# KiCad board mega65-r3-expansion-board.kicad.kicad_pcb
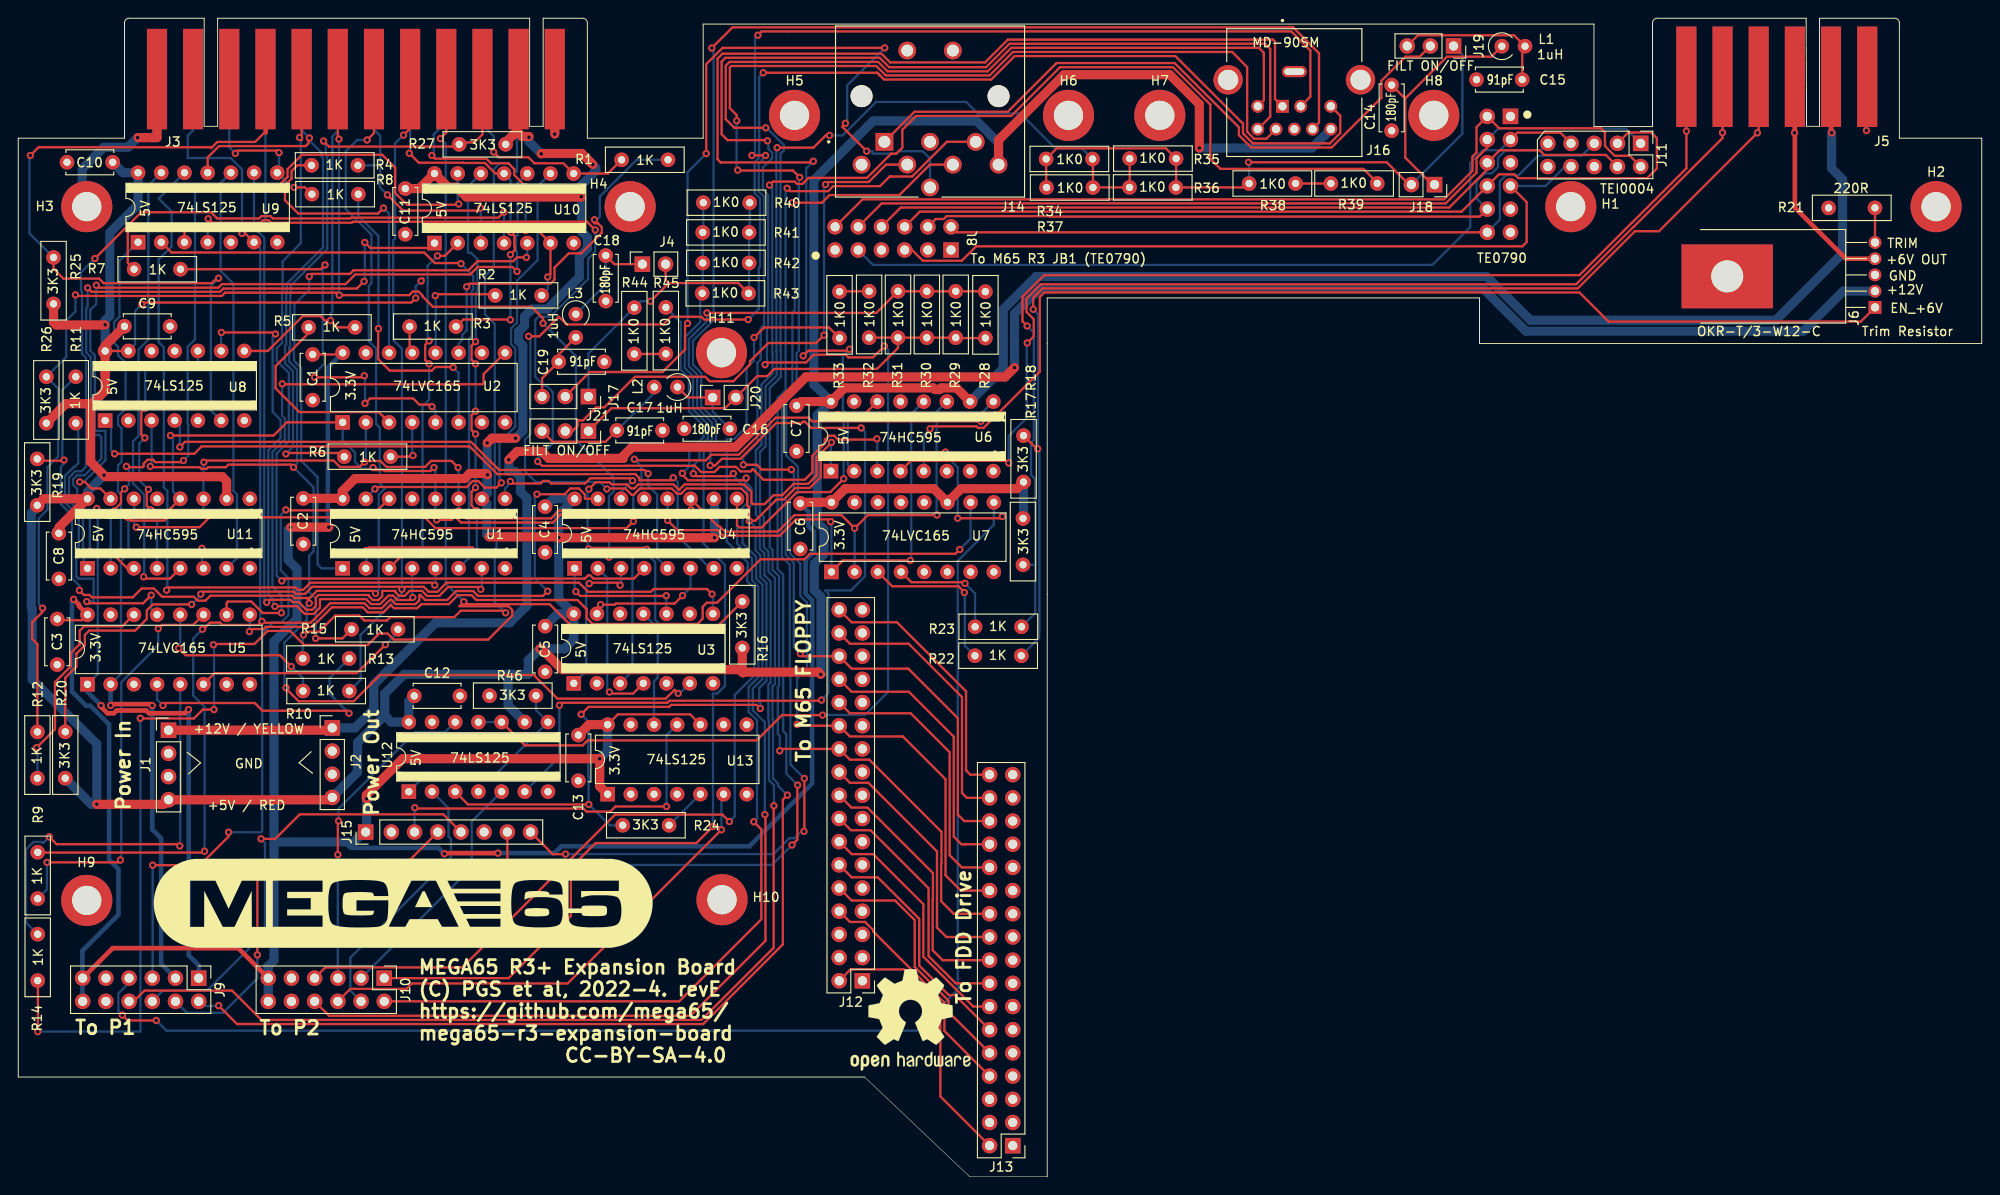
[diagram p0: board, top side]
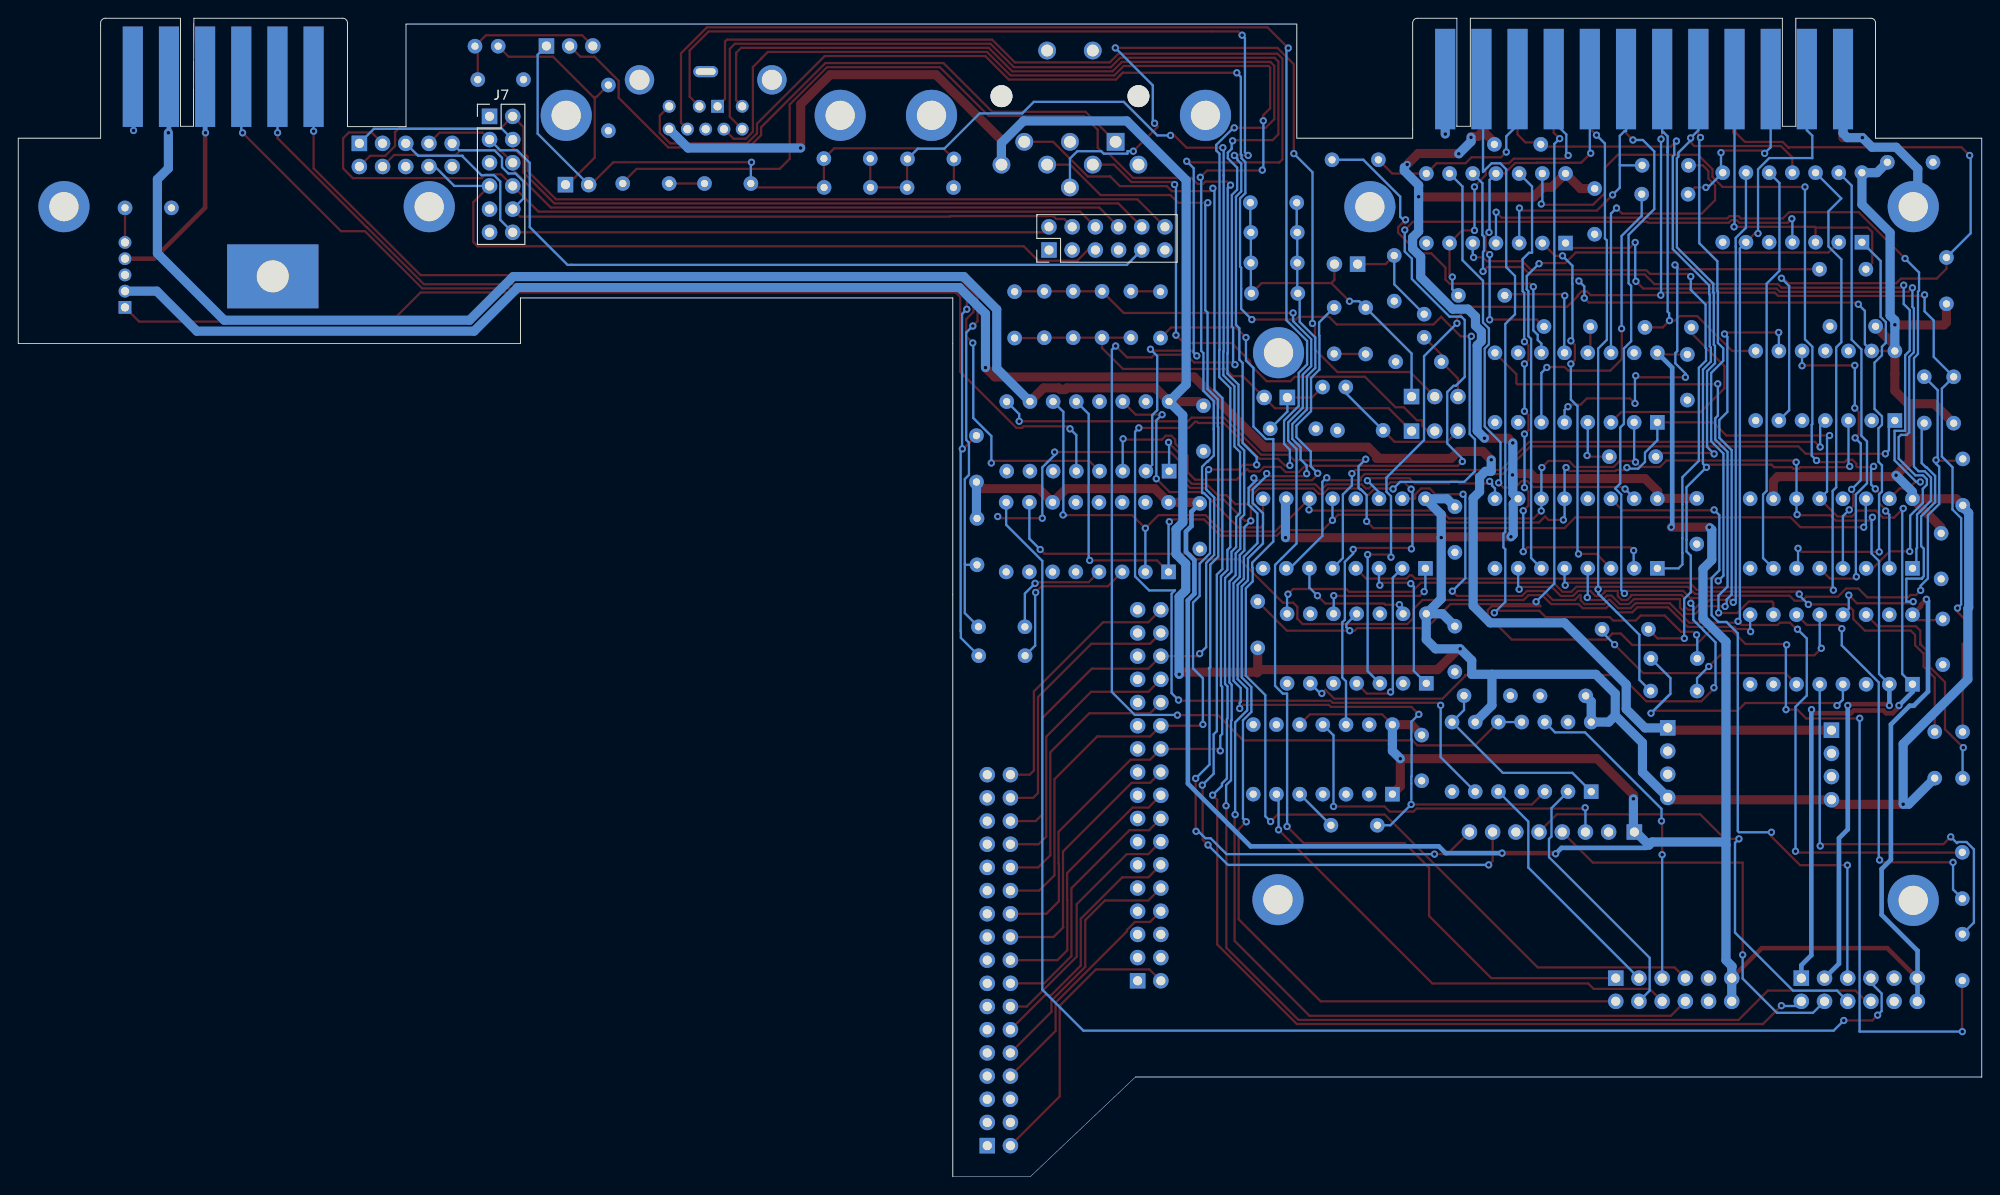
[diagram p1: board, bottom side, seen from below]

Outline 215 x 126.91 mm; copper layers: Top, GND1.Cu (plane), GND2.Cu (plane), Bottom. Coordinates in mm from the lower left corner of the outline.
Outline path: 0,113.77 11.63,113.77 11.63,126.4 arc(11.78,126.76) 12.14,126.91 20.36,126.91 20.36,115.08 21.83,115.08 21.83,126.91 56,126.91 56,115.08 57.47,115.08 57.47,126.91 61.8,126.91 arc(62.16,126.76) 62.31,126.4 62.31,113.77 75,113.77 75,126.27 172.54,126.27 172.54,115.04 178.96,115.04 178.96,126.4 arc(179.1,126.76) 179.46,126.91 195.77,126.91 195.82,115.08 197.24,115.08 197.24,126.91 205.47,126.91 arc(205.83,126.76) 205.98,126.4 205.98,113.77 215,113.77 215,91.27 160,91.27 160,96.27 112.67,96.27 112.67,0 104.18,0 92.67,10.92 0,10.92 0,113.77
Stack: Top 0.035mm / dielectric 0.48mm FR4 er 4.5 / GND1.Cu 0.035mm / dielectric 0.48mm FR4 er 4.5 / GND2.Cu 0.035mm / dielectric 0.48mm FR4 er 4.5 / Bottom 0.035mm

## Placement (name value [footprint] x y rotation side)
C1  0.1uF  [C_Disc_D5.0mm_W2.5mm_P5.00mm]  32.24 90.08 270 top
C2  0.1uF  [C_Disc_D5.0mm_W2.5mm_P5.00mm]  31.21 74.31 270 top
C3  0.1uF  [C_Disc_D5.0mm_W2.5mm_P5.00mm]  4.27 61.1 270 top
C4  0.1uF  [C_Disc_D5.0mm_W2.5mm_P5.00mm]  57.69 73.4 270 top
C5  0.1uF  [C_Disc_D5.0mm_W2.5mm_P5.00mm]  57.7 60.31 270 top
C6  0.1uF  [C_Disc_D5.0mm_W2.5mm_P5.00mm]  85.62 73.77 270 top
C7  0.1uF  [C_Disc_D5.0mm_W2.5mm_P5.00mm]  85.22 84.47 270 top
C8  0.1uF  [C_Disc_D5.0mm_W2.5mm_P5.00mm]  4.45 70.49 270 top
C9  0.1uF  [C_Disc_D5.0mm_W2.5mm_P5.00mm]  11.63 93.16 0 top
C10  0.1uF  [C_Disc_D5.0mm_W2.5mm_P5.00mm]  10.34 111.13 180 top
C11  0.1uF  [C_Disc_D5.0mm_W2.5mm_P5.00mm]  42.39 108.25 270 top
C12  0.1uF  [C_Disc_D5.0mm_W2.5mm_P5.00mm]  43.36 52.68 0 top
C13  0.1uF  [C_Disc_D5.0mm_W2.5mm_P5.00mm]  61.33 48.38 270 top
C14  180pF  [C_Disc_D5.0mm_W2.5mm_P5.00mm]  150.38 119.59 270 top
C15  91pF  [C_Disc_D5.0mm_W2.5mm_P5.00mm]  164.68 120.19 180 top
C16  180pF  [C_Disc_D5.0mm_W2.5mm_P5.00mm]  77.92 81.94 180 top
C17  91pF  [C_Disc_D5.0mm_W2.5mm_P5.00mm]  65.55 81.76 0 top
C18  180pF  [C_Disc_D5.0mm_W2.5mm_P5.00mm]  64.33 100.92 270 top
C19  91pF  [C_Disc_D5.0mm_W2.5mm_P5.00mm]  59.17 89.28 0 top
G***  LOGO  [MEGA65-logo]  42.15 29.97 0 top
H1  MountingHole_Pad  [MountingHole_3.2mm_M3_DIN965_Pad]  170 106.27 0 top
H2  MountingHole_Pad  [MountingHole_3.2mm_M3_DIN965_Pad]  210 106.27 0 top
H3  MountingHole_Pad  [MountingHole_3.2mm_M3_DIN965_Pad]  7.5 106.27 0 top
H4  MountingHole_Pad  [MountingHole_3.2mm_M3_DIN965_Pad]  67 106.27 0 top
H5  MountingHole_Pad  [MountingHole_3.2mm_M3_DIN965_Pad]  85 116.27 0 top
H6  MountingHole_Pad  [MountingHole_3.2mm_M3_DIN965_Pad]  115 116.27 0 top
H7  MountingHole_Pad  [MountingHole_3.2mm_M3_DIN965_Pad]  125 116.27 0 top
H8  MountingHole_Pad  [MountingHole_3.2mm_M3_DIN965_Pad]  155 116.27 0 top
H9  MountingHole_Pad  [MountingHole_3.2mm_M3_DIN965_Pad]  7.5 30.27 0 top
H10  MountingHole_Pad  [MountingHole_3.2mm_M3_DIN965_Pad]  77.06 30.35 0 top
H11  MountingHole_Pad  [MountingHole_3.2mm_M3_DIN965_Pad]  77 90.27 0 top
J1  Conn_01x04  [FloppyPower]  16.46 48.92 0 top
J2  Conn_01x04  [FloppyPower]  34.39 49.17 0 top
J3  C64_User_Port  [C64-User-Port-Male]  48.31 114.75 0 top
J4  Conn_01x02  [PinSocket_1x02_P2.54mm_Vertical]  68.34 99.97 90 top
J5  C64_Tape_Port  [C64-Cassette-Port-Male]  192.02 115.01 0 top
J6  OKR-T/3-W12-C  [TO-220-FP-5]  203.31 95.24 90 top
J7  Conn_02x06_Odd_Even  [PinHeader_2x06_P2.54mm_Vertical]  163.4 116.16 180 bottom
J8  Conn_02x06_Odd_Even  [PinHeader_2x06_P2.54mm_Vertical#2]  102.14 101.53 90 bottom
J9  PMOD1  [PinHeader_2x06_P2.54mm_Vertical]  19.76 21.76 270 top
J10  PMOD2  [PinHeader_2x06_P2.54mm_Vertical]  40.08 21.76 270 top
J11  Conn_02x05_Odd_Even  [PinHeader_2x05_P2.54mm_Vertical]  177.65 113.21 270 top
J12  Conn_02x17_Odd_Even  [PinHeader_2x17_P2.54mm_Vertical]  92.43 21.47 180 top
J13  Conn_02x17_Odd_Even  [PinHeader_2x17_P2.54mm_Vertical]  108.9 3.41 180 top
J14  Component A/V  [CUI_SDF-80J]  99.84 118.38 180 top
J15  ESP32 Connector  [PinHeader_1x08_P2.54mm_Vertical]  38.31 37.76 90 top
J16  MD-90SM  [CUI_MD-90SM]  139.73 121.07 180 top
J17  Conn_01x03  [PinSocket_1x03_P2.54mm_Vertical]  62.43 85.47 270 top
J18  Conn_01x02  [PinSocket_1x02_P2.54mm_Vertical]  155.08 108.69 270 top
J19  Conn_01x03  [PinSocket_1x03_P2.54mm_Vertical]  157.17 123.88 270 top
J20  Conn_01x02  [PinSocket_1x02_P2.54mm_Vertical]  76.03 85.37 90 top
J21  Conn_01x03  [PinSocket_1x03_P2.54mm_Vertical]  62.43 81.69 270 top
L1  1uH  [L_Axial_L6.6mm_D2.7mm_P2.54mm_Vertical_Vishay_IM-2]  162.45 123.85 0 top
L2  1uH  [L_Axial_L6.6mm_D2.7mm_P2.54mm_Vertical_Vishay_IM-2]  72.18 86.51 180 top
L3  1uH  [L_Axial_L6.6mm_D2.7mm_P2.54mm_Vertical_Vishay_IM-2]  61.05 94.49 270 top
LOGO1  Logo_Open_Hardware_Large  [OSHW-Logo2_14.6x12mm_SilkScreen]  97.7 17.2 0 top
R1  1K  [Labeled Resistor]  71.14 111.41 180 top
R2  1K  [Labeled Resistor]  52.23 96.55 0 top
R3  1K  [Labeled Resistor]  42.85 93.14 0 top
R4  1K  [Labeled Resistor]  32.11 110.8 0 top
R5  1K  [Labeled Resistor]  31.8 93.05 0 top
R6  1K  [Labeled Resistor]  40.78 78.88 180 top
R7  1K  [Labeled Resistor]  17.76 99.42 180 top
R8  1K  [Labeled Resistor]  37.23 107.64 180 top
R9  1K  [Labeled Resistor]  2.13 30.46 90 top
R10  1K  [Labeled Resistor]  31.17 53.21 0 top
R11  1K  [Labeled Resistor]  6.3 82.56 90 top
R12  1K  [Labeled Resistor]  2.1 43.65 90 top
R13  1K  [Labeled Resistor]  36.23 56.77 180 top
R14  1K  [Labeled Resistor]  2.13 26.57 270 top
R15  1K  [Labeled Resistor]  41.58 59.97 180 top
R16  3K3  [Labeled Resistor]  79.28 57.94 90 top
R17  3K3  [Labeled Resistor]  110.02 72.12 270 top
R18  3K3  [Labeled Resistor]  110.08 76.11 90 top
R19  3K3  [Labeled Resistor]  2.08 73.56 90 top
R20  3K3  [Labeled Resistor]  5.15 43.66 90 top
R21  220R  [Labeled Resistor]  203.31 106.14 180 top
R22  1K  [Labeled Resistor]  104.75 57.08 0 top
R23  1K  [Labeled Resistor]  104.77 60.25 0 top
R24  3K3  [Labeled Resistor]  66.18 38.51 0 top
R25  3K3  [Labeled Resistor]  3.87 95.62 90 top
R26  3K3  [Labeled Resistor]  3.08 82.55 90 top
R27  3K3  [Labeled Resistor]  53.36 113.1 180 top
R28  1K0  [Labeled Resistor]  105.9 96.96 270 top
R29  1K0  [Labeled Resistor]  102.65 97 270 top
R30  1K0  [Labeled Resistor]  99.49 97 270 top
R31  1K0  [Labeled Resistor]  96.33 97 270 top
R32  1K0  [Labeled Resistor]  93.17 97 270 top
R33  1K0  [Labeled Resistor]  89.93 96.96 270 top
R34  1K0  [Labeled Resistor]  117.63 111.5 180 top
R35  1K0  [Labeled Resistor]  121.7 111.54 0 top
R36  1K0  [Labeled Resistor]  121.68 108.38 0 top
R37  1K0  [Labeled Resistor]  117.67 108.37 180 top
R38  1K0  [Labeled Resistor]  139.86 108.81 180 top
R39  1K0  [Labeled Resistor]  143.73 108.81 0 top
R40  1K0  [Labeled Resistor]  75.01 106.71 0 top
R41  1K0  [Labeled Resistor]  74.95 103.45 0 top
R42  1K0  [Labeled Resistor]  74.95 100.11 0 top
R43  1K0  [Labeled Resistor]  74.89 96.78 0 top
R44  1K0  [Labeled Resistor]  67.46 90.13 90 top
R45  1K0  [Labeled Resistor]  70.91 90.16 90 top
R46  3K3  [Labeled Resistor]  51.61 52.7 0 top
U1  74HC595  [DIP-16_LS_Family]  35.52 66.65 90 top
U2  74LVC165  [DIP-16_LVC_Family]  35.52 82.65 90 top
U3  74LS125  [DIP-14_74LS06]  60.83 54.05 90 top
U4  74HC595  [DIP-16_LS_Family]  60.92 66.65 90 top
U5  74LVC165  [DIP-16_LVC_Family]  7.58 53.95 90 top
U6  74HC595  [DIP-16_LS_Family]  88.98 77.3 90 top
U7  74LVC165  [DIP-16_LVC_Family]  89.04 66.26 90 top
U8  74LS125  [DIP-14_74LS06]  9.51 82.84 90 top
U9  74LS125  [DIP-14_74LS06]  13.12 102.38 90 top
U10  74LS125  [DIP-14_74LS06]  45.57 102.28 90 top
U11  74HC595  [DIP-16_LS_Family]  7.58 66.65 90 top
U12  74LS125  [DIP-14_W7.62mm]  42.74 42.39 90 top
U13  74LS125  [DIP-14_74LS06]  64.53 41.91 90 top

## Library data of the parts
C1-C19 = -: Description: Unpolarized capacitor
H1-H11 = -: Description: Mounting Hole with connection
J1 J2 = -: Description: Generic connector, single row, 01x04, script generated (kicad-library-utils/schlib/autogen/connector/)
J3 = -: Description: Generic connector, double row, 02x12, counter clockwise pin numbering scheme (similar to DIP packge numbering), script generated (kicad-library-utils/schlib/autogen/connector/)
J4 J18 J20 = -: Description: Generic connector, single row, 01x02, script generated (kicad-library-utils/schlib/autogen/connector/)
J5 = -: Description: Generic connector, double row, 02x06, counter clockwise pin numbering scheme (similar to DIP packge numbering), script generated (kicad-library-utils/schlib/autogen/connector/)
J6 = -: Description: Generic connector, single row, 01x06, script generated (kicad-library-utils/schlib/autogen/connector/)
J7-J10 = -: Description: Generic connector, double row, 02x06, odd/even pin numbering scheme (row 1 odd numbers, row 2 even numbers), script generated (kicad-library-utils/schlib/autogen/connector/)
J11 = -: Description: Generic connector, double row, 02x05, odd/even pin numbering scheme (row 1 odd numbers, row 2 even numbers), script generated (kicad-library-utils/schlib/autogen/connector/)
J12 J13 = -: Description: Generic connector, double row, 02x17, odd/even pin numbering scheme (row 1 odd numbers, row 2 even numbers), script generated (kicad-library-utils/schlib/autogen/connector/)
J14 = -: Description: 8-pin DIN connector
J15 = -: Description: Generic connector, single row, 01x08, script generated (kicad-library-utils/schlib/autogen/connector/)
J16 = -: Description: 9 Pin, Mini Circular Connector w/ Shield; Availability: In Stock; CUI_purchase_URL: https://www.cuidevices.com/product/interconnect/connectors/din-connectors/md-90sm?utm_source=snapeda.com&utm_medium=referral&utm_campaign=snapedaBOM; Check_prices: https://www.snapeda.com/parts/MD-90SM/CUI+Devices/view-part/?ref=eda; MANUFACTURER: CUI; MAXIMUM_PACKAGE_HEIGHT: 13.6 mm; MF: CUI Devices; PARTREV: 02/18/2022; Package: None; Price: None; STANDARD: Manufacturer Recommendations; SnapEDA_Link: https://www.snapeda.com/parts/MD-90SM/CUI+Devices/view-part/?ref=snap
J17 J19 J21 = -: Description: Generic connector, single row, 01x03, script generated (kicad-library-utils/schlib/autogen/connector/)
L1-L3 = -: Description: Inductor
LOGO1 = -: Description: Open Hardware logo, large
R1-R27 R46 = -: Description: Resistor
R28-R45 = -: Description: Resistor symbol for simulation only
U1 U4 U6 U11 = -: Description: 8-bit serial in/out Shift Register 3-State Outputs
U2 U5 U7 = -: Description: Shift Register 8-bit, parallel load
U3 U8-U10 U12 U13 = -: Description: Quad buffer 3-State outputs

## Footprints (pads in the part's own frame, mm; a bottom-side part is the same pattern mirrored in y, then rotated)
C64-Cassette-Port-Male
  rect 2.2x11 smd: 1(10.44,5.5) 2(6.48,5.5) 3(2.52,5.5) 4(-1.44,5.5) 5(-5.4,5.5) 6(-9.36,5.5)
  rect 2.2x11 smd far side: A(10.44,5.5) B(6.48,5.5) C(2.52,5.5) D(-1.44,5.5) E(-5.4,5.5) F(-9.36,5.5)
C64-User-Port-Male
  rect 2.2x11 smd: 1(10.44,5.5) 2(6.48,5.5) 3(2.52,5.5) 4(-1.44,5.5) 5(-5.4,5.5) 6(-9.36,5.5) 7(-13.32,5.5) 8(-17.28,5.5) 9(-21.24,5.5) 10(-25.2,5.5) 11(-29.16,5.5) 12(-33.12,5.5)
  rect 2.2x11 smd far side: A(10.44,5.5) B(6.48,5.5) C(2.52,5.5) D(-1.44,5.5) E(-5.4,5.5) F(-9.36,5.5) H(-13.32,5.5) J(-17.28,5.5) K(-21.24,5.5) L(-25.2,5.5) M(-29.16,5.5) N(-33.12,5.5)
C_Disc_D5.0mm_W2.5mm_P5.00mm
  round 1.6 hole 0.8: 1(0,0) 2(5,0)
CUI_MD-90SM
  rect 1.408x1.408 hole 0.9: 1(1.3,3.8)
  round 1.408 hole 0.9: 2(-0.7,3.8) 3(4,3.8) 4(2,6.3) 5(0,6.3) 6(-4,3.8) 7(4,6.3) 8(-2,6.3) 9(-4,6.3)
  oval 2.73x1.23 hole 2.2x0.7: S1(0,0)
  round 3.216 hole 2.2: S2(-7.25,0.9) S3(7.25,0.9)
CUI_SDF-80J
  round 2.4 hole 2.4 unplated: (-7.5,0) (7.5,0)
  rect 1.95x1.95 hole 1.3: 1(5,5)
  round 1.95 hole 1.3: 2(0,5) 3(-5,5) 4(2.5,7.5) 5(-2.5,7.5) 6(0,10) 7(7.5,7.5) 8(-7.5,7.5) S1(2.5,-5) S2(-2.5,-5)
DIP-14_74LS06
  rect 1.6x1.6 hole 0.8: 1(0,0)
  oval 1.6x1.6 hole 0.8: 2(0,-2.54) 3(0,-5.08) 4(0,-7.62) 5(0,-10.16) 6(0,-12.7) 7(0,-15.24) 8(7.62,-15.24) 9(7.62,-12.7) 10(7.62,-10.16) 11(7.62,-7.62) 12(7.62,-5.08) 13(7.62,-2.54) 14(7.62,0)
DIP-14_W7.62mm
  rect 1.6x1.6 hole 0.8: 1(-0.2,-0.02)
  oval 1.6x1.6 hole 0.8: 2(-0.2,-2.56) 3(-0.2,-5.1) 4(-0.2,-7.64) 5(-0.2,-10.18) 6(-0.2,-12.72) 7(-0.2,-15.26) 8(7.42,-15.26) 9(7.42,-12.72) 10(7.42,-10.18) 11(7.42,-7.64) 12(7.42,-5.1) 13(7.42,-2.56) 14(7.42,-0.02)
DIP-16_LS_Family
  rect 1.6x1.6 hole 0.8: 1(0,0)
  oval 1.6x1.6 hole 0.8: 2(0,-2.54) 3(0,-5.08) 4(0,-7.62) 5(0,-10.16) 6(0,-12.7) 7(0,-15.24) 8(0,-17.78) 9(7.62,-17.78) 10(7.62,-15.24) 11(7.62,-12.7) 12(7.62,-10.16) 13(7.62,-7.62) 14(7.62,-5.08) 15(7.62,-2.54) 16(7.62,0)
DIP-16_LVC_Family
  rect 1.6x1.6 hole 0.8: 1(0,0)
  oval 1.6x1.6 hole 0.8: 2(0,-2.54) 3(0,-5.08) 4(0,-7.62) 5(0,-10.16) 6(0,-12.7) 7(0,-15.24) 8(0,-17.78) 9(7.62,-17.78) 10(7.62,-15.24) 11(7.62,-12.7) 12(7.62,-10.16) 13(7.62,-7.62) 14(7.62,-5.08) 15(7.62,-2.54) 16(7.62,0)
FloppyPower
  rect 1.7x1.7 hole 1: 1(0,0)
  oval 1.7x1.7 hole 1: 2(0,-2.54) 3(0,-5.08) 4(0,-7.62)
L_Axial_L6.6mm_D2.7mm_P2.54mm_Vertical_Vishay_IM-2
  round 1.6 hole 0.8: 1(0,0)
  oval 1.6x1.6 hole 0.8: 2(2.54,0)
Labeled Resistor
  round 1.6 hole 0.8: 1(0,0) 2(5.08,0)
MountingHole_3.2mm_M3_DIN965_Pad
  round 5.6 hole 3.2: 1(0,0)
PinHeader_1x08_P2.54mm_Vertical
  rect 1.7x1.7 hole 1: 1(0,0.278)
  oval 1.7x1.7 hole 1: 2(0,-2.54) 3(0,-5.08) 4(0,-7.62) 5(0,-10.16) 6(0,-12.7) 7(0,-15.24) 8(0,-17.78)
PinHeader_2x05_P2.54mm_Vertical
  rect 1.7x1.7 hole 1: 1(0,0)
  oval 1.7x1.7 hole 1: 2(2.54,0) 3(0,-2.54) 4(2.54,-2.54) 5(0,-5.08) 6(2.54,-5.08) 7(0,-7.62) 8(2.54,-7.62) 9(0,-10.16) 10(2.54,-10.16)
PinHeader_2x06_P2.54mm_Vertical
  rect 1.7x1.7 hole 1: 1(0,0)
  oval 1.7x1.7 hole 1: 2(2.54,0) 3(0,-2.54) 4(2.54,-2.54) 5(0,-5.08) 6(2.54,-5.08) 7(0,-7.62) 8(2.54,-7.62) 9(0,-10.16) 10(2.54,-10.16) 11(0,-12.7) 12(2.54,-12.7)
PinHeader_2x06_P2.54mm_Vertical#2
  oval 1.7x1.7 hole 1: 1(0,-12.7) 2(2.54,-12.7) 3(0,-10.16) 4(2.54,-10.16) 5(0,-7.62) 6(2.54,-7.62) 7(0,-5.08) 8(2.54,-5.08) 9(0,-2.54) 10(2.54,-2.54) 12(2.54,0)
  rect 1.7x1.7 hole 1: 11(0,0)
PinHeader_2x17_P2.54mm_Vertical
  rect 1.7x1.7 hole 1: 1(0,0)
  oval 1.7x1.7 hole 1: 2(2.54,0) 3(0,-2.54) 4(2.54,-2.54) 5(0,-5.08) 6(2.54,-5.08) 7(0,-7.62) 8(2.54,-7.62) 9(0,-10.16) 10(2.54,-10.16) 11(0,-12.7) 12(2.54,-12.7) 13(0,-15.24) 14(2.54,-15.24) 15(0,-17.78) 16(2.54,-17.78) 17(0,-20.32) 18(2.54,-20.32) 19(0,-22.86) 20(2.54,-22.86) 21(0,-25.4) 22(2.54,-25.4) 23(0,-27.94) 24(2.54,-27.94) 25(0,-30.48) 26(2.54,-30.48) 27(0,-33.02) 28(2.54,-33.02) 29(0,-35.56) 30(2.54,-35.56) 31(0,-38.1) 32(2.54,-38.1) 33(0,-40.64) 34(2.54,-40.64)
PinSocket_1x02_P2.54mm_Vertical
  rect 1.7x1.7 hole 1: 1(0,0)
  oval 1.7x1.7 hole 1: 2(0,-2.54)
PinSocket_1x03_P2.54mm_Vertical
  rect 1.7x1.7 hole 1: 1(0,0)
  oval 1.7x1.7 hole 1: 2(0,-2.54) 3(0,-5.08)
TO-220-FP-5
  rect 1.4x1.4 hole 0.9: 1(0,0)
  oval 1.4x1.4 hole 0.9: 2(1.778,0) 3(3.556,0) 4(5.334,0) 5(7.112,0)
  rect 7x10 hole 3.5: 6(3.4,16.18)

## Nets
+3V3: C1.1 C3.1 C6.1 C13.1 J9.11 J9.12 J10.11 J10.12 J15.1 R17.1 R18.1 U2.16 U5.16 U7.11 U7.16 U13.1 U13.10 U13.14
+5V: C2.1 C4.1 C5.1 C7.1 C8.1 C9.1 C10.1 C11.1 C12.1 J1.4 J2.4 J3.2 J5.2 J5.B J14.8 J16.9 R16.1 R19.1 R20.1 R25.1 R26.1 R27.1 U1.10 U1.16 U3.14 U4.10 U4.16 U6.10 U6.16 U8.13 U8.14 U9.14 U10.14 U11.10 U11.16 U12.9 U12.14
+12V_FUSED: J1.1 J2.1 J6.2
/User Port & Tape Port/6V_REG_CTL: J6.1 U6.5
GND: C1.2 C2.2 C3.2 C4.2 C5.2 C6.2 C7.2 C8.2 C9.2 C10.2 C11.2 C12.2 C13.2 C14.2 C15.2 C16.2 C17.2 C18.2 C19.2 H1.1 H2.1 H3.1 H4.1 H5.1 H6.1 H7.1 H8.1 H9.1 H10.1 J1.2 J1.3 J2.2 J2.3 J3.1 J3.12 J3.A J3.N J5.1 J5.A J6.3 J6.6 J9.9 J9.10 J10.9 J10.10 J12.1 J12.3 J12.5 J12.7 J12.9 J12.11 J12.13 J12.15 J12.17 J12.19 J12.21 J12.23 J12.25 J12.27 J12.29 J12.31 J12.33 J13.1 J13.3 J13.5 J13.7 J13.9 J13.11 J13.13 J13.15 J13.17 J13.19 J13.21 J13.23 J13.25 J13.27 J13.29 J13.31 J13.33 J14.2 J14.S1 J14.S2 J15.2 J16.5 J16.S1 J16.S2 J16.S3 R21.2 R46.1 U1.8 U1.13 U2.8 U2.15 U3.2 U3.5 U3.7 U3.9 U3.12 U4.8 U4.13 U5.8 U5.15 U6.8 U6.13 U7.8 U7.12 U7.15 U8.2 U8.5 U8.7 U9.5 U9.7 U10.7 U11.8 U11.13 U12.4 U12.7 U12.13 U13.4 U13.7 U13.13
1565_CLOCK_3V3: J10.3 U12.5
1565_LD_3V3: J10.5 U12.12
1565_LD_5V: J16.7 U12.10 U12.11
1565_RST: J16.1 U6.2
1565_SERIO_I: J10.6 U13.6
1565_SERIO_O: J10.4 U12.2
/C1565 External C65 Drive Port/CLOCK_5V: J16.8 U12.6
/C1565 External C65 Drive Port/SERIO_5V: J16.6 R24.1 U12.3
/Composite and component video output/CHROMA_FILTERED: C19.1 J17.3 L3.2
/Composite and component video output/CHROMA_OUT: J14.6 J17.2
/Composite and component video output/COMP_CHROMA: J4.2 J17.1 R40.2 R41.2 R42.2 R43.2 R44.2
/Composite and component video output/COMPOSITE_FILTERED: C15.1 J19.3 L1.2
/Composite and component video output/COMPOSITE_OUT: J14.1 J19.2
/Composite and component video output/COMPOSITE_UNFILTERED: J18.2 J19.1 R34.2 R35.2 R36.2 R37.2 R38.2
/Composite and component video output/LUMA_FILTERED: C17.1 J21.3 L2.2
/Composite and component video output/LUMA_OUT: J14.4 J21.2
/Composite and component video output/LUMA_UNFILTERED: J20.2 J21.1 R28.2 R29.2 R30.2 R31.2 R32.2
/Multiplexor Interconnect Bus/DIR: J12.18 J13.18
/Multiplexor Interconnect Bus/DRVSA: J12.14 J13.14
/Multiplexor Interconnect Bus/DRVSB: J12.12 J13.12
/Multiplexor Interconnect Bus/DSKCHG: J12.34 J13.34
/Multiplexor Interconnect Bus/INDEX: J12.8 J13.8
/Multiplexor Interconnect Bus/MOTEA: J12.10 J13.10
/Multiplexor Interconnect Bus/MOTEB: J12.16 J13.16
/Multiplexor Interconnect Bus/REDWC: J12.2 J13.2
/Multiplexor Interconnect Bus/SIDE1: J12.32 J13.32
/Multiplexor Interconnect Bus/STEP: J12.20 J13.20
/Multiplexor Interconnect Bus/TE0790_2: J7.2 J8.2 J11.2
/Multiplexor Interconnect Bus/TE0790_3: J7.3 J8.3 J11.7
/Multiplexor Interconnect Bus/TE0790_4: J7.4 J8.4 J11.1
/Multiplexor Interconnect Bus/TE0790_6: J7.6 J8.6 J11.4
/Multiplexor Interconnect Bus/TE0790_7: J7.7 J8.7 J11.8
/Multiplexor Interconnect Bus/TE0790_8: J7.8 J8.8 J11.3
/Multiplexor Interconnect Bus/TE0790_10: J7.10 J8.10 J11.9
/Multiplexor Interconnect Bus/TE0790_12: J7.12 J8.12 J11.5
/Multiplexor Interconnect Bus/TRACK0: J12.26 J13.26
/Multiplexor Interconnect Bus/WPT: J12.28 J13.28
/User Port & Tape Port/ATN_O: U4.5 U8.4
/User Port & Tape Port/CNT1: J3.4 R14.2 R16.2 U3.11
/User Port & Tape Port/CNT1_O: U3.13 U4.6
/User Port & Tape Port/CNT2: J3.6 R11.2 R19.2 U3.6
/User Port & Tape Port/CNT2_O: U3.4 U4.2
/User Port & Tape Port/DATA_0: J3.C R1.2 U10.8
/User Port & Tape Port/DATA_0_O: U1.15 U10.9
/User Port & Tape Port/DATA_1: J3.D R2.2 U10.6
/User Port & Tape Port/DATA_1_O: U1.1 U10.5
/User Port & Tape Port/DATA_2: J3.E R3.2 U10.11
/User Port & Tape Port/DATA_2_O: U1.2 U10.12
/User Port & Tape Port/DATA_3: J3.F R4.2 U10.3
/User Port & Tape Port/DATA_3_O: U1.3 U10.2
/User Port & Tape Port/DATA_4: J3.H R5.2 U8.8
/User Port & Tape Port/DATA_4_O: U1.4 U8.9
/User Port & Tape Port/DATA_5: J3.J R6.2 U9.11
/User Port & Tape Port/DATA_5_O: U1.5 U9.12
/User Port & Tape Port/DATA_6: J3.K R7.2 U9.3
/User Port & Tape Port/DATA_6_O: U1.6 U9.2
/User Port & Tape Port/DATA_7: J3.L R8.2 U9.8
/User Port & Tape Port/DATA_7_O: U1.7 U9.9
/User Port & Tape Port/EN_DATA_0: U10.10 U11.15
/User Port & Tape Port/EN_DATA_1: U10.4 U11.1
/User Port & Tape Port/EN_DATA_2: U10.13 U11.2
/User Port & Tape Port/EN_DATA_3: U10.1 U11.3
/User Port & Tape Port/EN_DATA_4: U8.10 U11.4
/User Port & Tape Port/EN_DATA_5: U9.13 U11.5
/User Port & Tape Port/EN_DATA_6: U9.1 U11.6
/User Port & Tape Port/EN_DATA_7: U9.10 U11.7
/User Port & Tape Port/EN_PA2: U6.3 U9.4
/User Port & Tape Port/FLAG2: J3.B R13.2
/User Port & Tape Port/PA2: J3.M R9.2 U4.15 U9.6
/User Port & Tape Port/PC2: J3.8 U4.4
/User Port & Tape Port/RESET_N: J3.3 R15.2 R27.2 U8.3
/User Port & Tape Port/RESET_N_O: U4.7 U8.1
/User Port & Tape Port/SP1: J3.5 R10.2 R20.2 U3.8
/User Port & Tape Port/SP1_O: U3.10 U4.1
/User Port & Tape Port/SP2: J3.7 R12.2 R26.2 U3.3
/User Port & Tape Port/SP2_O: U3.1 U4.3
/User Port & Tape Port/TAPE_MOTOR: J5.3 J5.C J6.4
/User Port & Tape Port/TAPE_READ: J5.4 J5.D R18.2 R22.2
/User Port & Tape Port/TAPE_SENSE: J5.6 J5.F R17.2 R23.2
/User Port & Tape Port/TAPE_WRITE: J5.5 J5.E U6.4
AUDIO_OUT_L: J14.5 J15.8
AUDIO_OUT_R: J14.3 J15.7
COMP_CHROMA2: J10.8 R45.2
COMP_CHROMA5: J10.2 R40.1 R41.1 R42.1 R43.1
COMP_COMP2: J9.8 R39.2
COMP_COMP5: J9.2 R34.1 R35.1 R36.1 R37.1
COMP_LUMA2: J10.7 R33.2
COMP_LUMA5: J10.1 R28.1 R29.1 R30.1 R31.1
EXP_CLOCK: J9.3 U1.11 U2.2 U4.11 U5.2 U6.11 U7.2 U11.11
EXP_LATCH: J9.1 U1.12 U2.1 U4.12 U5.1 U6.12 U7.1 U11.12
EXP_RDATA: J9.7 U7.9